# Altium PCB uZed_breakout.PcbDoc (part 5 of 5)
Units mm, origin at the board's own origin, x right, y up, seen from the top; angles counter-clockwise.
Board outline 101.6 x 80.24 mm, 4 copper layers (Top Layer, Layer 1, Layer 2, Bottom Layer), stack 0.603 mm thick; 63 components, 141 nets, 670 pads, 2215 vias.
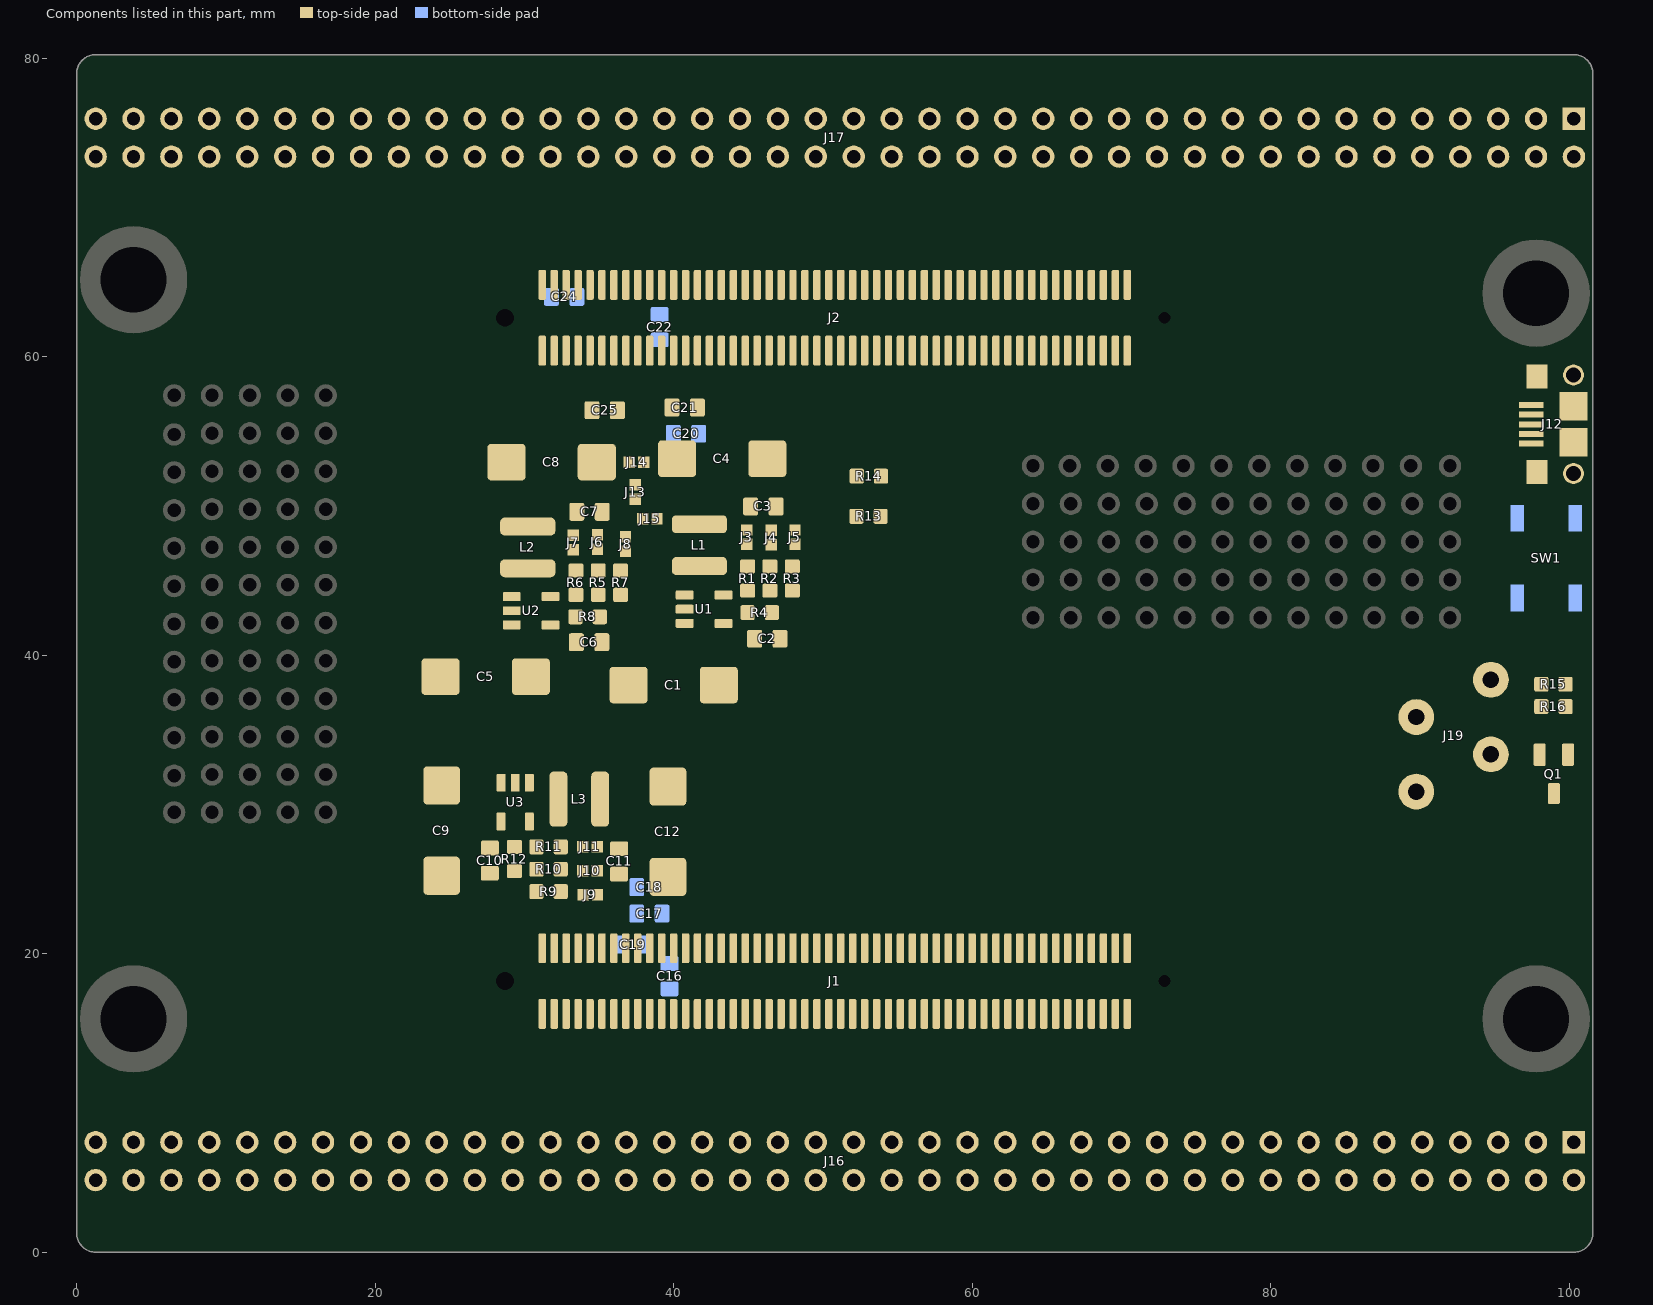
[diagram p7: the components of this part, seen from the top]

## Polygon pours and split planes (outlines as drawn) (continued)
GND on Bottom Layer "Bottom Layer-GND" (solid, pour order 22): 0.102,71.476 5.08,71.476 5.08,72.339 6.731,70.688 6.731,69.647 7.874,68.504 7.874,66.472 14.326,60.02 30.988,60.02 33.579,57.658 36.271,57.658 36.271,61.096 37.338,61.096 37.338,61.697 40.107,61.697 40.107,57.658 60.3,57.658 60.3,61.096 84.912,61.096 94.437,70.037 98.146,72.111 101.549,72.111 101.549,9.423 101.168,9.042 97.46,9.042 86.696,19.806 66.801,19.806 64.313,22.835 59.538,22.835 59.538,24.647 41.173,24.647 41.173,19.084 33.96,18.881 30.429,20.803 14.503,20.803 2.083,8.382 0.152,8.382 0.076,8.458 0.102,8.484
GND on Bottom Layer "Bottom" (solid, pour order 16): 2.733,4.089 2.733,3.759 12.766,3.759 12.954,3.947 12.954,8.484 15.306,8.484 15.306,3.581 25.466,3.581 25.466,3.683 25.578,3.794 25.578,8.484 28.006,8.484 28.006,3.607 33.112,3.607 33.112,3.708 33.112,8.484 35.626,8.484 35.626,3.429 40.681,3.429 40.894,3.642 40.894,8.484 43.323,8.484 43.323,3.581 48.352,3.581 48.352,3.759 48.352,8.484 50.663,8.484 50.663,3.81 50.866,3.607 50.866,3.581 55.946,3.581 55.946,8.255 58.283,8.255 58.283,4.013 58.486,3.81 58.486,3.581 63.541,3.581 63.541,8.484 65.979,8.484 65.979,3.708 66.106,3.581 71.212,3.581 71.212,8.245 71.222,8.255 73.726,8.255 73.726,3.581 83.912,3.581 83.912,8.611 86.426,8.611 86.426,3.607 99.076,3.607 99.076,9.373 101.666,9.373 101.666,1.606 cw(c100.37,1.604) 101.285,0.686 cw(c100.367,1.603) 100.366,0.305 1.295,0.305 cw(c1.295,1.432) 0.498,0.635 0.433,0.7 cw(c1.259,1.526) 0.168,1.11 0.168,9.017 2.708,9.017 2.708,6.477
no net on Top Overlay (solid): 17.78,30.531 5.563,30.531 5.537,30.556 5.537,28.423 9.957,28.423 17.78,28.423
no net on Top Overlay (solid): 17.653,58.522 5.436,58.522 5.41,58.547 5.41,56.413 9.83,56.413 17.653,56.413
no net on Top Overlay (solid): 93.04,41.402 93.04,53.619 93.066,53.645 90.932,53.645 90.932,49.225 90.932,41.402
no net on Top Overlay (solid): 65.151,41.351 65.151,53.569 65.176,53.594 63.043,53.594 63.043,49.174 63.043,41.351
no net on Top Overlay (solid): 101.651,3.607 101.651,8.661 101.676,8.687 98.933,8.687 98.933,3.658 98.908,3.632
no net on Top Overlay (solid): 86.512,3.581 86.512,8.636 86.538,8.661 83.795,8.661 83.795,3.632 83.769,3.607
no net on Top Overlay (solid): 73.736,3.607 73.736,8.661 73.762,8.687 71.018,8.687 71.018,3.658 70.993,3.632
no net on Top Overlay (solid): 66.091,3.531 66.091,8.585 66.116,8.611 63.373,8.611 63.373,3.581 63.348,3.556
no net on Top Overlay (solid): 58.496,3.556 58.496,8.611 58.522,8.636 55.778,8.636 55.778,3.607 55.753,3.581
no net on Top Overlay (solid): 50.952,3.454 50.952,8.509 50.978,8.534 48.235,8.534 48.235,3.505 48.209,3.48
no net on Top Overlay (solid): 43.282,3.581 43.282,8.636 43.307,8.661 40.564,8.661 40.564,3.632 40.538,3.607
no net on Top Overlay (solid): 35.611,3.531 35.611,8.585 35.636,8.611 32.893,8.611 32.893,3.581 32.868,3.556
no net on Top Overlay (solid): 27.991,3.607 27.991,8.661 28.016,8.687 25.273,8.687 25.273,3.658 25.248,3.632
no net on Top Overlay (solid): 15.316,3.581 15.316,8.636 15.342,8.661 12.598,8.661 12.598,3.632 12.573,3.607
no net on Top Overlay (solid): 2.692,3.581 2.692,8.636 2.718,8.661 -0.025,8.661 -0.025,3.632 -0.051,3.607
no net on Top Overlay (solid): 88.9,72.111 88.9,77.165 88.925,77.191 86.182,77.191 86.182,72.161 86.157,72.136
no net on Top Overlay (solid): 76.225,72.06 76.225,77.114 76.251,77.14 73.508,77.14 73.508,72.111 73.482,72.085
no net on Top Overlay (solid): 68.605,72.06 68.605,77.114 68.631,77.14 65.888,77.14 65.888,72.111 65.862,72.085
no net on Top Overlay (solid): 60.985,72.085 60.985,77.14 61.011,77.165 58.268,77.165 58.268,72.136 58.242,72.111
no net on Top Overlay (solid): 53.365,72.085 53.365,77.14 53.391,77.165 50.648,77.165 50.648,72.136 50.622,72.111
no net on Top Overlay (solid): 45.872,72.111 45.872,77.165 45.898,77.191 43.155,77.191 43.155,72.161 43.129,72.136
no net on Top Overlay (solid): 38.227,72.136 38.227,77.191 38.252,77.216 35.509,77.216 35.509,72.187 35.484,72.161
no net on Top Overlay (solid): 30.505,72.161 30.505,77.216 30.531,77.241 27.788,77.241 27.788,72.212 27.762,72.187
no net on Top Overlay (solid): -0.051,74.549 5.004,74.549 5.029,74.524 5.029,77.267 0,77.267 -0.025,77.292
no net on Top Overlay (solid): -0.076,77.267 -0.076,72.212 -0.102,72.187 2.642,72.187 2.642,77.216 2.667,77.241
no net on Top Overlay (solid): 15.088,77.241 15.088,72.187 15.062,72.161 17.805,72.161 17.805,77.191 17.831,77.216
no net on Bottom Overlay (solid): 93.04,41.402 93.04,53.619 93.066,53.645 90.932,53.645 90.932,49.225 90.932,41.402
no net on Bottom Overlay (solid): 65.151,41.351 65.151,53.569 65.176,53.594 63.043,53.594 63.043,49.174 63.043,41.351
no net on Bottom Overlay (solid): 17.805,30.531 5.588,30.531 5.563,30.556 5.563,28.423 9.982,28.423 17.805,28.423
no net on Bottom Overlay (solid): 17.653,58.522 5.436,58.522 5.41,58.547 5.41,56.413 9.83,56.413 17.653,56.413
no net on Bottom Overlay (solid): 15.075,77.229 15.075,72.174 15.05,72.149 17.793,72.149 17.793,77.178 17.818,77.203
no net on Bottom Overlay (solid): -0.089,77.254 -0.089,72.2 -0.114,72.174 2.629,72.174 2.629,77.203 2.654,77.229
no net on Bottom Overlay (solid): -0.064,74.536 4.991,74.536 5.016,74.511 5.016,77.254 -0.013,77.254 -0.038,77.279
no net on Bottom Overlay (solid): 30.493,72.149 30.493,77.203 30.518,77.229 27.775,77.229 27.775,72.2 27.749,72.174
no net on Bottom Overlay (solid): 38.214,72.123 38.214,77.178 38.24,77.203 35.496,77.203 35.496,72.174 35.471,72.149
no net on Bottom Overlay (solid): 45.86,72.098 45.86,77.153 45.885,77.178 43.142,77.178 43.142,72.149 43.116,72.123
no net on Bottom Overlay (solid): 53.353,72.072 53.353,77.127 53.378,77.153 50.635,77.153 50.635,72.123 50.609,72.098
no net on Bottom Overlay (solid): 60.973,72.072 60.973,77.127 60.998,77.153 58.255,77.153 58.255,72.123 58.229,72.098
no net on Bottom Overlay (solid): 68.593,72.047 68.593,77.102 68.618,77.127 65.875,77.127 65.875,72.098 65.849,72.072
no net on Bottom Overlay (solid): 76.213,72.047 76.213,77.102 76.238,77.127 73.495,77.127 73.495,72.098 73.469,72.072
no net on Bottom Overlay (solid): 88.887,72.098 88.887,77.153 88.913,77.178 86.169,77.178 86.169,72.149 86.144,72.123
no net on Bottom Overlay (solid): 2.692,3.658 2.692,8.712 2.718,8.738 -0.025,8.738 -0.025,3.708 -0.051,3.683
no net on Bottom Overlay (solid): 15.316,3.658 15.316,8.712 15.342,8.738 12.598,8.738 12.598,3.708 12.573,3.683
no net on Bottom Overlay (solid): 27.991,3.683 27.991,8.738 28.016,8.763 25.273,8.763 25.273,3.734 25.248,3.708
no net on Bottom Overlay (solid): 35.611,3.607 35.611,8.661 35.636,8.687 32.893,8.687 32.893,3.658 32.868,3.632
no net on Bottom Overlay (solid): 43.282,3.658 43.282,8.712 43.307,8.738 40.564,8.738 40.564,3.708 40.538,3.683
no net on Bottom Overlay (solid): 50.952,3.531 50.952,8.585 50.978,8.611 48.235,8.611 48.235,3.581 48.209,3.556
no net on Bottom Overlay (solid): 58.496,3.632 58.496,8.687 58.522,8.712 55.778,8.712 55.778,3.683 55.753,3.658
no net on Bottom Overlay (solid): 66.091,3.607 66.091,8.661 66.116,8.687 63.373,8.687 63.373,3.658 63.348,3.632
no net on Bottom Overlay (solid): 73.736,3.683 73.736,8.738 73.762,8.763 71.018,8.763 71.018,3.734 70.993,3.708
no net on Bottom Overlay (solid): 86.512,3.658 86.512,8.712 86.538,8.738 83.795,8.738 83.795,3.708 83.769,3.683
no net on Bottom Overlay (solid): 101.651,3.683 101.651,8.738 101.676,8.763 98.933,8.763 98.933,3.734 98.908,3.708
GND on Layer 1 "Bottom" (solid, pour order 48): 98.971,76.276 98.971,76.937 88.938,76.937 88.938,76.606 88.532,76.2 88.532,72.669 86.398,72.669 86.398,76.937 76.238,76.937 76.238,76.683 75.781,76.225 75.781,72.619 73.698,72.619 73.698,76.937 68.593,76.937 68.593,76.657 68.212,76.276 68.212,72.72 66.078,72.72 66.078,76.937 61.024,76.937 60.516,76.429 60.541,76.403 60.541,72.847 58.966,72.847 58.382,73.431 58.382,76.937 53.353,76.937 53.353,76.606 52.997,76.251 52.997,72.466 51.245,72.466 51.245,76.352 50.838,76.759 50.838,76.937 45.885,76.937 45.885,72.568 43.523,72.568 43.523,76.251 43.218,76.556 43.218,76.937 38.164,76.937 38.163,72.466 35.928,72.466 35.928,76.454 35.598,76.784 35.598,76.937 30.493,76.937 30.493,72.339 28.308,72.339 28.308,76.937 17.793,76.937 17.793,72.161 15.278,72.161 15.278,76.937 5.144,76.937 5.144,71.044 0.165,71.044 0.165,78.608 cw(c1.16,78.886) 0.566,79.731 cw(c1.55,78.496) 1.339,80.061 100.409,80.061 cw(c100.41,78.937) 101.206,79.731 101.271,79.665 cw(c100.452,78.843) 101.613,78.842 101.613,71.196 98.997,71.196 98.997,73.889
GND on Layer 1 "Bottom" (solid, pour order 41): 2.733,4.089 2.733,3.759 12.766,3.759 12.954,3.947 12.954,8.484 15.306,8.484 15.306,3.581 25.466,3.581 25.466,3.683 25.578,3.794 25.578,8.484 28.006,8.484 28.006,3.607 33.112,3.607 33.112,3.708 33.112,8.484 35.626,8.484 35.626,3.429 40.681,3.429 40.894,3.642 40.894,8.484 43.323,8.484 43.323,3.581 48.352,3.581 48.352,3.759 48.352,8.484 50.663,8.484 50.663,3.81 50.866,3.607 50.866,3.581 55.946,3.581 55.946,8.255 58.283,8.255 58.283,4.013 58.486,3.81 58.486,3.581 63.541,3.581 63.541,8.484 65.979,8.484 65.979,3.708 66.106,3.581 71.212,3.581 71.212,8.245 71.222,8.255 73.726,8.255 73.726,3.581 83.912,3.581 83.912,8.611 86.426,8.611 86.426,3.607 99.076,3.607 99.076,9.373 101.666,9.373 101.666,1.606 cw(c100.37,1.604) 101.285,0.686 cw(c100.367,1.603) 100.366,0.305 1.295,0.305 cw(c1.295,1.432) 0.498,0.635 0.433,0.7 cw(c1.259,1.526) 0.168,1.11 0.168,9.017 2.708,9.017 2.708,6.477
GND on Layer 1 "Bottom Layer-GND" (solid, pour order 28): 0.142,71.458 5.121,71.458 5.121,72.321 6.772,70.67 6.772,69.629 7.915,68.486 7.915,66.454 14.366,60.002 31.029,60.002 33.62,57.64 36.312,57.64 36.312,61.078 37.379,61.078 37.379,61.679 40.147,61.679 40.147,57.64 60.34,57.64 60.34,61.078 84.953,61.078 94.478,70.019 98.186,72.093 101.59,72.093 101.59,9.406 101.209,9.025 97.501,9.025 86.737,19.788 66.842,19.788 64.354,22.817 59.578,22.817 59.578,24.629 41.214,24.629 41.214,19.067 34.001,18.863 30.47,20.785 14.544,20.785 2.124,8.364 0.193,8.364 0.117,8.44 0.142,8.466
GND on Layer 2 "Bottom" (solid, pour order 47): 98.984,76.2 98.984,76.86 88.951,76.86 88.951,76.53 88.544,76.124 88.544,72.593 86.411,72.593 86.411,76.86 76.251,76.86 76.251,76.606 75.794,76.149 75.794,72.542 73.711,72.542 73.711,76.86 68.605,76.86 68.605,76.581 68.224,76.2 68.224,72.644 66.091,72.644 66.091,76.86 61.036,76.86 60.528,76.352 60.554,76.327 60.554,72.771 58.979,72.771 58.395,73.355 58.395,76.86 53.365,76.86 53.365,76.53 53.01,76.175 53.01,72.39 51.257,72.39 51.257,76.276 50.851,76.683 50.851,76.86 45.898,76.86 45.898,72.492 43.536,72.492 43.536,76.175 43.231,76.479 43.231,76.86 38.176,76.86 38.176,72.39 35.941,72.39 35.941,76.378 35.611,76.708 35.611,76.86 30.505,76.86 30.505,72.263 28.321,72.263 28.321,76.86 17.805,76.86 17.805,72.085 15.291,72.085 15.291,76.86 5.156,76.86 5.156,70.968 0.178,70.968 0.178,78.532 cw(c1.173,78.81) 0.579,79.655 cw(c1.562,78.42) 1.352,79.985 100.422,79.985 cw(c100.423,78.86) 101.219,79.654 101.284,79.589 cw(c100.464,78.767) 101.625,78.765 101.625,71.12 99.009,71.12 99.009,73.812
GND on Layer 2 "Bottom" (solid, pour order 43): 2.733,4.089 2.733,3.759 12.766,3.759 12.954,3.947 12.954,8.484 15.306,8.484 15.306,3.581 25.466,3.581 25.466,3.683 25.578,3.794 25.578,8.484 28.006,8.484 28.006,3.607 33.112,3.607 33.112,3.708 33.112,8.484 35.626,8.484 35.626,3.429 40.681,3.429 40.894,3.642 40.894,8.484 43.323,8.484 43.323,3.581 48.352,3.581 48.352,3.759 48.352,8.484 50.663,8.484 50.663,3.81 50.866,3.607 50.866,3.581 55.946,3.581 55.946,8.255 58.283,8.255 58.283,4.013 58.486,3.81 58.486,3.581 63.541,3.581 63.541,8.484 65.979,8.484 65.979,3.708 66.106,3.581 71.212,3.581 71.212,8.245 71.222,8.255 73.726,8.255 73.726,3.581 83.912,3.581 83.912,8.611 86.426,8.611 86.426,3.607 99.076,3.607 99.076,9.373 101.666,9.373 101.666,1.606 cw(c100.37,1.604) 101.285,0.686 cw(c100.367,1.603) 100.366,0.305 1.295,0.305 cw(c1.295,1.432) 0.498,0.635 0.433,0.7 cw(c1.259,1.526) 0.168,1.11 0.168,9.017 2.708,9.017 2.708,6.477
GND on Layer 2 "Bottom Layer-GND" (solid, pour order 37): 0.147,71.448 5.125,71.448 5.125,72.311 6.776,70.66 6.776,69.619 7.919,68.476 7.919,66.444 14.371,59.992 31.033,59.992 33.624,57.63 36.316,57.63 36.316,61.068 37.383,61.068 37.383,61.669 40.152,61.669 40.152,57.63 60.345,57.63 60.345,61.068 84.957,61.068 94.482,70.009 98.191,72.083 101.594,72.083 101.594,9.396 101.213,9.015 97.505,9.015 86.741,19.778 66.847,19.778 64.358,22.807 59.583,22.807 59.583,24.619 41.219,24.619 41.219,19.057 34.005,18.853 30.474,20.775 14.549,20.775 2.128,8.354 0.198,8.354 0.121,8.43 0.147,8.456

## Silkscreen, mask and mechanical layers (free items; w line width, h text height)
Top Overlay:
  circle w0.254: c100.33,73.406 r1.025
  circle w0.254: c100.33,75.946 r1.205
  lines w0.152: 68.961,25.817 69.494,26.35 ; 68.961,25.817 70.028,25.817 ; 68.961,25.817 68.961,26.883 ; 68.961,26.883 69.494,27.417 ; 68.961,26.883 70.028,26.883 ; 69.494,26.35 69.494,27.417 ; 69.494,26.35 70.561,26.35 ; 69.494,27.417 70.561,27.417 ; 70.028,25.817 70.561,26.35 ; 70.028,25.817 70.028,26.883 ; 70.028,26.883 70.561,27.417 ; 70.561,26.35 70.561,27.417
  lines w0.203: 67.742,25.41 68.377,25.41 ; 67.742,25.862 68.377,25.862 ; 67.742,26.314 68.377,26.314 ; 67.742,26.767 68.377,26.767 ; 67.742,27.219 68.377,27.219 ; 67.742,27.671 68.377,27.671 ; 68.605,27.925 68.605,28.56 ; 68.631,24.547 68.631,25.182 ; 69.058,27.925 69.058,28.56 ; 69.083,24.547 69.083,25.182 ; 69.51,27.925 69.51,28.56 ; 69.535,24.547 69.535,25.182 ; 69.962,27.925 69.962,28.56 ; 69.987,24.547 69.987,25.182 ; 70.414,27.925 70.414,28.56 ; 70.439,24.547 70.439,25.182 ; 70.866,27.925 70.866,28.56 ; 70.891,24.547 70.891,25.182 ; 71.12,25.436 71.755,25.436 ; 71.12,25.888 71.755,25.888 ; 71.12,26.34 71.755,26.34 ; 71.12,26.792 71.755,26.792 ; 71.12,27.244 71.755,27.244 ; 71.12,27.696 71.755,27.696 ; 68.377,25.182 68.377,27.925 71.12,27.925 71.12,25.182 68.377,25.182
  text "30" at 65.634,71.806 h1.02 r180
  text "10" at 90.856,71.78 h1.02 r180
  text "80" at 2.184,71.755 h1.02 r180
  text "60" at 27.483,71.755 h1.02 r180
  text "20" at 78.308,71.755 h1.02 r180
  text "50" at 40.31,71.73 h1.02 r180
  text "40" at 53.01,71.704 h1.02 r180
  text "70" at 14.757,71.679 h1.02 r180
  text "IO35" at 101.194,71.501 h2.54 r180
  text "IO35" at 79.172,63.525 h2.54 r180
  text "VCCIO35" at 42.774,55.728 h0.76
  text "VCCIO13" at 28.169,55.499 h0.76
  text "5V Max" at 101.117,42.342 h2.29 r90
  text "+" at 93.066,30.404 h3.05 r90
  text "uZed Breakout V1.0 2012" at 72.619,27.102 h2.29
  text "VCCIO34" at 42.951,25.679 h0.76 r90
  text "www.CircuitValley.com" at 72.568,25.044 h2.29
  text "IO34" at 74.397,17.221 h2.54
  text "IO34" at 96.342,10.236 h2.54
  text "75" at 5.537,9.017 h1.02
  text "5" at 94.92,8.992 h1.02
  text "65" at 18.263,8.966 h1.02
  text "55" at 30.937,8.966 h1.02
  text "25" at 69.088,8.966 h1.02
  text "15" at 81.813,8.966 h1.02
  text "35" at 56.413,8.941 h1.02
  text "45" at 43.536,8.915 h1.02
Bottom Overlay:
  lines w0.152: 31.674,24.902 31.674,25.969 ; 31.674,24.902 32.741,24.902 ; 31.674,24.902 32.207,24.369 ; 31.674,25.969 32.741,25.969 ; 31.674,25.969 32.207,25.436 ; 32.207,24.369 33.274,24.369 ; 32.207,24.369 32.207,25.436 ; 32.207,25.436 33.274,25.436 ; 32.741,24.902 32.741,25.969 ; 32.741,24.902 33.274,24.369 ; 32.741,25.969 33.274,25.436 ; 33.274,24.369 33.274,25.436
  lines w0.203: 30.48,23.988 31.115,23.988 ; 30.48,24.44 31.115,24.44 ; 30.48,24.892 31.115,24.892 ; 30.48,25.344 31.115,25.344 ; 30.48,25.796 31.115,25.796 ; 30.48,26.248 31.115,26.248 ; 31.344,23.099 31.344,23.734 ; 31.369,26.477 31.369,27.112 ; 31.796,23.099 31.796,23.734 ; 31.821,26.477 31.821,27.112 ; 32.248,23.099 32.248,23.734 ; 32.273,26.477 32.273,27.112 ; 32.7,23.099 32.7,23.734 ; 32.725,26.477 32.725,27.112 ; 33.152,23.099 33.152,23.734 ; 33.177,26.477 33.177,27.112 ; 33.604,23.099 33.604,23.734 ; 33.63,26.477 33.63,27.112 ; 33.858,23.962 34.493,23.962 ; 33.858,24.414 34.493,24.414 ; 33.858,24.867 34.493,24.867 ; 33.858,25.319 34.493,25.319 ; 33.858,25.771 34.493,25.771 ; 33.858,26.223 34.493,26.223 ; 31.115,23.734 31.115,26.477 33.858,26.477 33.858,23.734 31.115,23.734
  text "60" at 25.73,71.78 h1.02 r180
  text "80" at 0.457,71.755 h1.02 r180
  text "50" at 38.583,71.755 h1.02 r180
  text "40" at 51.206,71.755 h1.02 r180
  text "20" at 76.606,71.755 h1.02 r180
  text "10" at 89.383,71.755 h1.02 r180
  text "70" at 13.005,71.704 h1.02 r180
  text "30" at 63.932,70.79 h1.02
  text "RST_PWR" at 93.878,43.18 h1.02 r270
  text "5V Max" at 101.244,29.083 h2.29 r90
  text "+" at 86.436,27.737 h3.05 r270
  text "+" at 96.368,27.711 h3.05 r270
  text "+" at 91.491,27.635 h3.05 r270
  text "microZed Breakout V1.0 2012" at 29.616,25.654 h2.29
  text "www.CircuitValley.com" at 29.667,23.597 h2.29
  text "5" at 95.606,9.017 h1.02
  text "75" at 7.163,8.992 h1.02
  text "55" at 32.588,8.992 h1.02
  text "15" at 83.261,8.992 h1.02
  text "65" at 19.964,8.966 h1.02
  text "35" at 58.039,8.966 h1.02
  text "25" at 70.764,8.966 h1.02
  text "45" at 45.339,8.941 h1.02
Mechanical 3:
  lines w0.051: 0,1.27 ccw(c1.27,1.27) 1.27,0 2.642,0 100.33,0 ccw(c100.33,1.27) 101.6,1.27 101.6,78.969 ccw(c100.33,78.969) 100.33,80.239 1.27,80.239 ccw(c1.27,78.969) 0,78.969 0,1.27